# Altium PCB VM3300_V0.5_潘工改.PcbDoc (part 2 of 2) (continued)
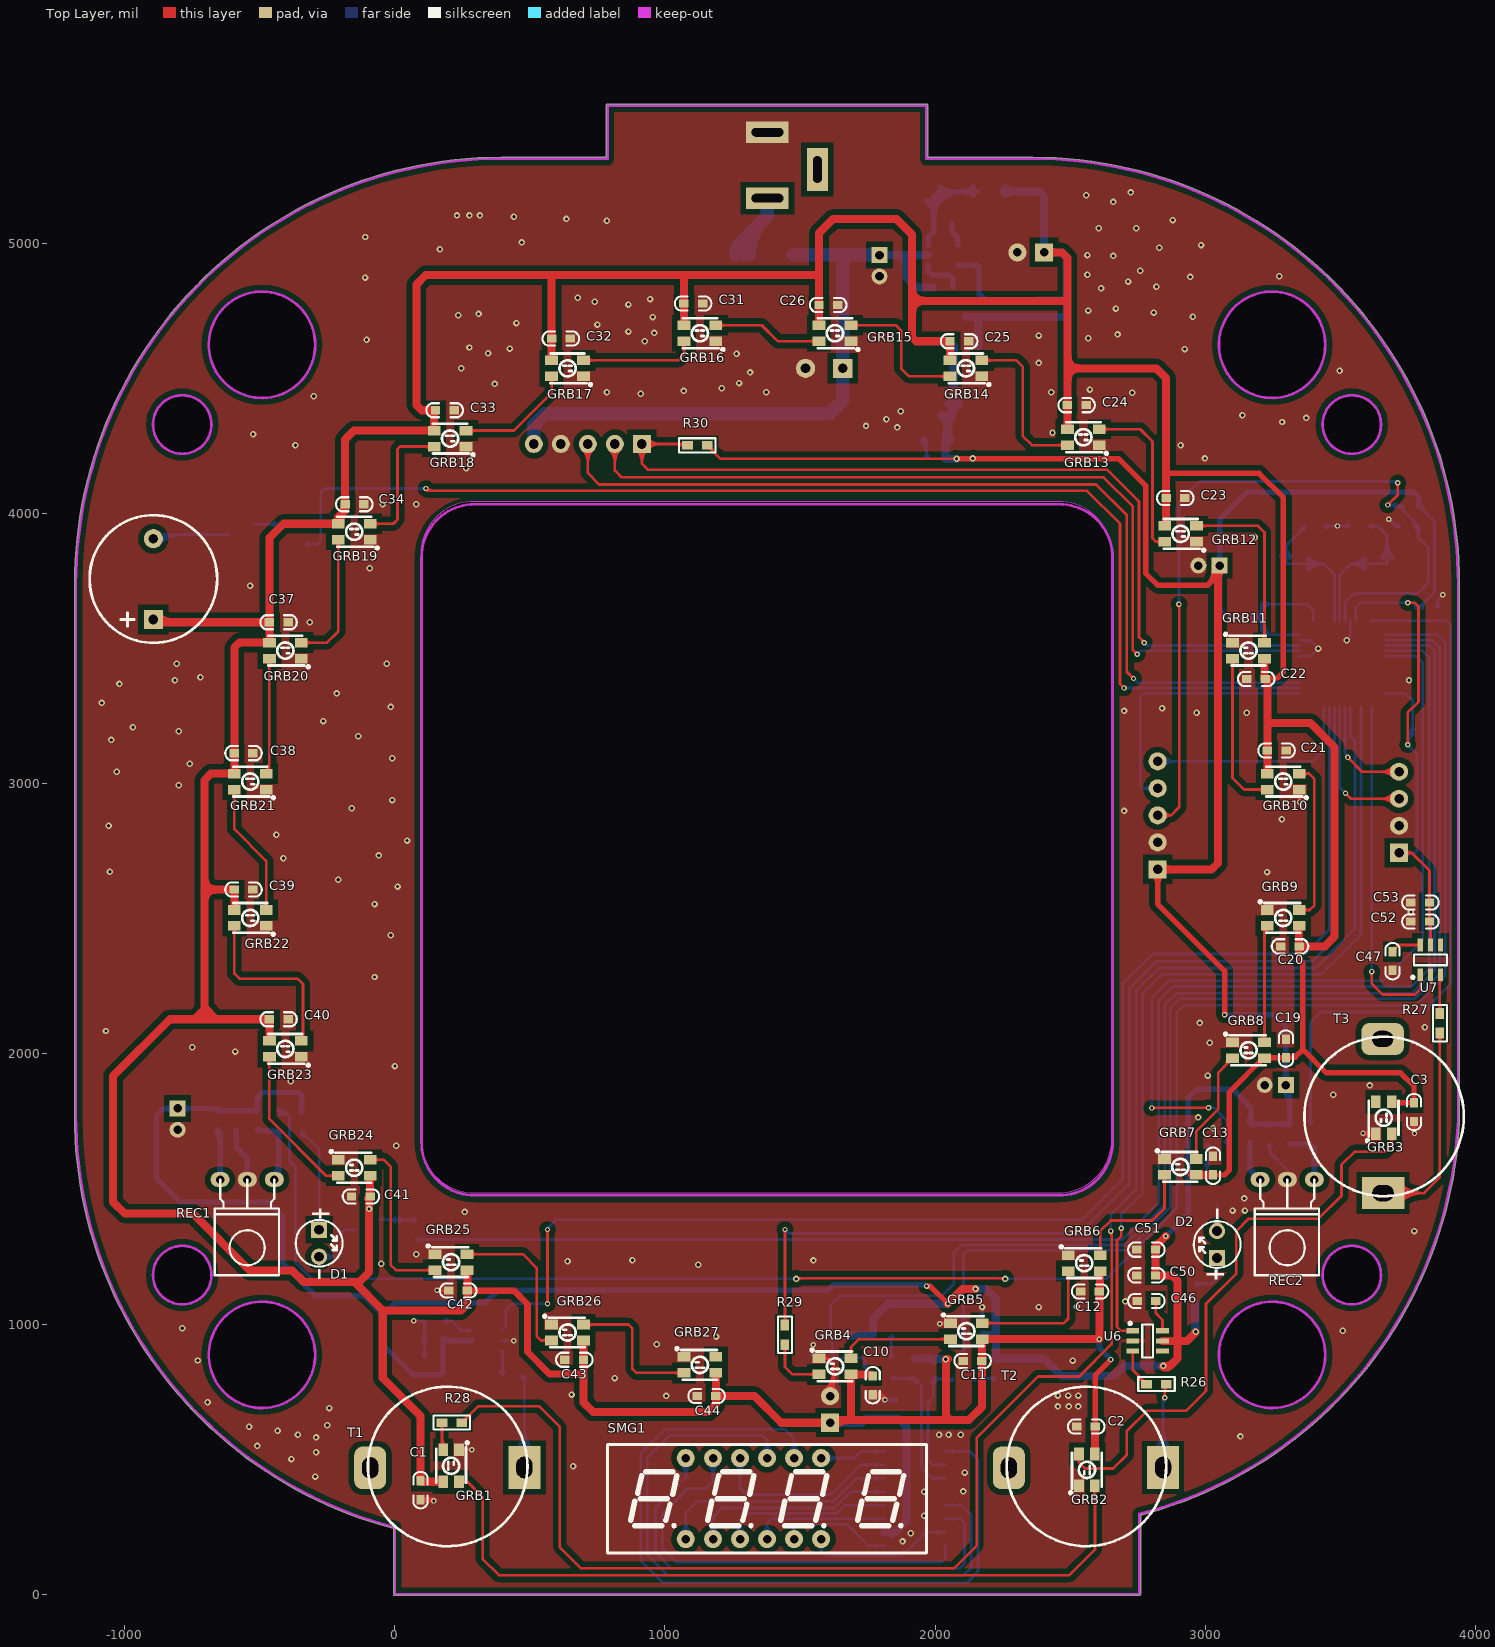
[diagram p0: Top Layer view]
## Nets (pads, with @x,y where several pads share a name; then routed paths per layer and width w, separated by ;. In a path a pad name is that pad's centre, name@x,y a point inside that pad or via, vN(x,y) a via of type N, cw(c..) or ccw(c..) an arc to the next point about the centre after c; other vN are vias at no path point) (continued)
O8: GRB9.2 GRB10.4 | length 691.4
  Top Layer w10: GRB9.2@3348.49,2533.18 3387.25,2533.18 3404.44,2550.36 3404.44,3018.65 3384.91,3038.18 ; GRB10.4@3348.49,3038.18 3384.91,3038.18 ; GRB9.2@3363.39,2524.19 cw(c3385.1,2502.48) 3385.1,2533.18 cw(c3385.1,2563.88) GRB9.2@3363.39,2542.17 ; GRB10.4@3363.43,3029.23 cw(c3384.91,3007.94) 3384.91,3038.18 ; GRB10.4@3363.43,3047.13 ccw(c3384.91,3068.42) 3384.91,3038.18
O9: GRB10.2 GRB11.4 | length 685.4
  Top Layer w10: GRB11.4@3092.73,3455.13 cw(c3071.02,3433.42) 3101.72,3433.42 cw(c3132.43,3433.42) GRB11.4@3110.72,3455.13 ; GRB11.4@3101.72,3464.12 3101.72,3021.36 3143.97,2979.12 GRB10.2@3230.38,2979.12 ; GRB10.2@3215.48,2970.13 ccw(c3193.78,2948.42) 3193.78,2979.12 ccw(c3193.78,3009.82) GRB10.2@3215.48,2988.11
O10: GRB11.2 GRB12.4 | length 766.1
  Top Layer w10: GRB12.4@2968.49,3955.36 3196.15,3955.36 3219.83,3931.67 GRB11.2@3219.83,3523.18 ; GRB12.4@2983.39,3946.37 cw(c3005.1,3924.66) 3005.1,3955.36 cw(c3005.1,3986.06) GRB12.4@2983.39,3964.36 ; GRB11.2@3210.84,3532.17 ccw(c3189.13,3553.88) 3219.83,3553.88 ccw(c3250.54,3553.88) GRB11.2@3228.83,3532.17
O11: GRB12.2 GRB13.4 | length 708.8
  Top Layer w10: GRB13.4@2608.49,4313.18 2759.91,4313.18 2805,4268.08 2805,3910 2818.7,3896.3 ; GRB13.4@2623.39,4304.19 cw(c2645.1,4282.48) 2645.1,4313.18 cw(c2645.1,4343.88) GRB13.4@2623.39,4322.17 ; GRB12.2@2834.39,3888.57 ccw(c2818.7,3876.53) 2818.7,3896.3 ; GRB12.2@2834.39,3904.04 cw(c2818.7,3916.08) 2818.7,3896.3 ; GRB12.2@2850.38,3896.3 2818.7,3896.3
O12: GRB13.2 GRB14.4 | length 693.6
  Top Layer w10: GRB14.4@2173.49,4568.26 2301.21,4568.26 2324.44,4545.04 2324.44,4288.65 2358.97,4254.12 GRB13.2@2490.38,4254.12 ; GRB14.4@2188.39,4559.27 cw(c2210.1,4537.56) 2210.1,4568.26 cw(c2210.1,4598.96) GRB14.4@2188.39,4577.25 ; GRB13.2@2475.48,4245.13 ccw(c2453.78,4223.42) 2453.78,4254.12 ccw(c2453.78,4284.82) GRB13.2@2475.48,4263.11
O13: GRB14.2 GRB15.4 | length 623.6
  Top Layer w10: GRB15.4@1688.49,4698.18 1854.91,4698.18 1874.44,4678.65 1874.44,4538.65 1903.88,4509.2 GRB14.2@2055.38,4509.2 ; GRB15.4@1703.39,4689.19 cw(c1725.1,4667.48) 1725.1,4698.18 cw(c1725.1,4728.88) GRB15.4@1703.39,4707.17 ; GRB14.2@2040.48,4500.21 ccw(c2018.78,4478.5) 2018.78,4509.2 ccw(c2018.78,4539.9) GRB14.2@2040.48,4518.19
O14: GRB15.2 GRB16.4 | length 502.8
  Top Layer w10: GRB16.4@1188.49,4698.18 1358.42,4698.18 1417.48,4639.12 GRB15.2@1570.38,4639.12 ; GRB16.4@1203.39,4689.19 cw(c1225.1,4667.48) 1225.1,4698.18 cw(c1225.1,4728.88) GRB16.4@1203.39,4707.17 ; GRB15.2@1555.48,4630.13 ccw(c1533.78,4608.42) 1533.78,4639.12 ccw(c1533.78,4669.82) GRB15.2@1555.48,4648.11
O15: GRB16.2 GRB17.4 | length 527
  Top Layer w10: GRB17.4@698.49,4568.18 1049.35,4568.18 1070.38,4589.21 GRB16.2@1070.38,4639.12 ; GRB17.4@713.39,4559.19 cw(c735.1,4537.48) 735.1,4568.18 cw(c735.1,4598.88) GRB17.4@713.39,4577.17 ; GRB16.2@1061.39,4630.13 cw(c1039.68,4608.42) 1070.38,4608.42 cw(c1101.08,4608.42) GRB16.2@1079.37,4630.13
O16: GRB17.2 GRB18.4 | length 532.5
  Top Layer w10: GRB18.4@263.49,4308.18 440.82,4308.18 580.38,4447.74 GRB17.2@580.38,4509.12 ; GRB18.4@278.39,4299.19 cw(c300.1,4277.48) 300.1,4308.18 cw(c300.1,4338.88) GRB18.4@278.39,4317.17 ; GRB17.2@571.39,4500.13 cw(c549.68,4478.42) 580.38,4478.42 cw(c611.08,4478.42) GRB17.2@589.37,4500.13
O17: GRB18.2 GRB19.4 | length 604.5
  Top Layer w10: GRB19.4@-91.51,3963.18 -6.03,3963.18 9.44,3978.65 9.44,4239.29 19.26,4249.12 GRB18.2@145.38,4249.12 ; GRB19.4@-76.61,3954.19 cw(c-54.9,3932.48) -54.9,3963.18 cw(c-54.9,3993.88) GRB19.4@-76.61,3972.17 ; GRB18.2@130.48,4240.13 ccw(c108.78,4218.42) 108.78,4249.12 ccw(c108.78,4279.82) GRB18.2@130.48,4258.11
O18: GRB19.2 GRB20.4 | length 590
  Top Layer w10: GRB20.4@-346.51,3523.18 -251.03,3523.18 -209.62,3564.59 GRB19.2@-209.62,3904.12 ; GRB20.4@-331.61,3514.19 cw(c-309.9,3492.48) -309.9,3523.18 cw(c-309.9,3553.88) GRB20.4@-331.61,3532.17 ; GRB19.2@-218.61,3895.13 cw(c-240.32,3873.42) -209.62,3873.42 cw(c-178.92,3873.42) GRB19.2@-200.63,3895.13
O19: GRB20.2 GRB21.4 | length 540.4
  Top Layer w10: GRB21.4@-479.59,3047.17 ccw(c-515.75,3083.33) -464.62,3083.33 ; GRB21.4@-476.51,3038.18 -464.62,3050.07 GRB20.2@-464.62,3464.12 ; GRB20.2@-473.61,3455.13 cw(c-495.32,3433.42) -464.62,3433.42 cw(c-433.92,3433.42) GRB20.2@-455.63,3455.13 ; GRB21.4@-472.52,3040.1 ccw(c-491.61,3059.18) -464.62,3059.18
O20: GRB21.2 GRB22.4 | length 591.3
  Top Layer w10: GRB21.2@-603.61,2970.13 cw(c-625.32,2948.42) -594.62,2948.42 cw(c-563.92,2948.42) GRB21.2@-585.63,2970.13 ; GRB21.2@-594.62,2979.12 -594.62,2832.7 -476.51,2714.59 GRB22.4@-476.51,2533.18 ; GRB22.4@-485.5,2542.17 ccw(c-507.21,2563.88) -476.51,2563.88 ccw(c-445.81,2563.88) GRB22.4@-467.52,2542.17
O21: GRB22.2 GRB23.4 | length 756
  Top Layer w10: GRB22.2@-603.61,2465.13 cw(c-625.32,2443.42) -594.62,2443.42 cw(c-563.92,2443.42) GRB22.2@-585.63,2465.13 ; GRB22.2@-594.62,2474.12 -594.62,2297.7 -575.56,2278.65 -360.56,2278.65 -340.56,2258.65 -340.56,2054.12 GRB23.4@-346.51,2048.18 ; GRB23.4@-349.59,2057.17 ccw(c-371.4,2078.97) -340.56,2078.97 ; -340.56,2078.78 ccw(c-310,2078.78) GRB23.4@-331.61,2057.17
O22: GRB23.2 GRB24.4 | length 668.7
  Top Layer w10: GRB23.2@-473.61,1980.13 cw(c-495.32,1958.42) -464.62,1958.42 cw(c-433.92,1958.42) GRB23.2@-455.63,1980.13 ; GRB23.2@-464.62,1989.12 -464.62,1758.74 -255,1549.12 GRB24.4@-209.62,1549.12 ; GRB24.4@-224.52,1540.13 ccw(c-246.22,1518.42) -246.22,1549.12 ccw(c-246.22,1579.82) GRB24.4@-224.52,1558.11
O23: GRB24.2 GRB25.4 | length 719.6
  Top Layer w10: GRB24.2@-91.51,1608.18 -40.84,1608.18 -15.56,1582.9 -15.56,1218.65 3.52,1199.56 GRB25.4@148.97,1199.56 ; GRB24.2@-76.61,1599.19 cw(c-54.9,1577.48) -54.9,1608.18 cw(c-54.9,1638.88) GRB24.2@-76.61,1617.17 ; GRB25.4@134.07,1190.57 ccw(c112.36,1168.86) 112.36,1199.56 ccw(c112.36,1230.26) GRB25.4@134.07,1208.55
O24: GRB25.2 GRB26.4 | length 690.1
  Top Layer w10: GRB25.2@267.08,1258.62 474.46,1258.62 525,1208.08 525,955.46 541.34,939.12 GRB26.4@580.38,939.12 ; GRB25.2@281.98,1249.63 cw(c303.68,1227.92) 303.68,1258.62 cw(c303.68,1289.32) GRB25.2@281.98,1267.61 ; GRB26.4@565.48,930.13 ccw(c543.78,908.42) 543.78,939.12 ccw(c543.78,969.82) GRB26.4@565.48,948.11
O25: GRB26.2 GRB27.4 | length 630.4
  Top Layer w10: GRB26.2@698.49,998.18 864.91,998.18 879.44,983.65 879.44,833.65 893.97,819.12 GRB27.4@1070.38,819.12 ; GRB26.2@713.39,989.19 cw(c735.1,967.48) 735.1,998.18 cw(c735.1,1028.88) GRB26.2@713.39,1007.17 ; GRB27.4@1055.48,810.13 ccw(c1033.78,788.42) 1033.78,819.12 ccw(c1033.78,849.82) GRB27.4@1055.48,828.11
OSC_IN: C14.2 U1.5 Y1.2 | length 951.6
  Bottom Layer w10: Y1.2@3279.48,3842.77 ccw(c3250.45,3882.59) 3299.73,3882.59 ; Y1.2@3285.37,3834.69 ccw(c3264.79,3862.93) 3299.73,3862.93 ccw(c3334.67,3862.93) Y1.2@3314.09,3834.69 ; Y1.2@3319.98,3842.77 cw(c3349.01,3882.59) 3299.73,3882.59 ; 3349.66,3932.53 ccw(c3328.32,3953.87) C14.2@3358.5,3953.87 ; 3355.7,3938.56 cw(c3368.5,3925.76) C14.2@3368.5,3943.87 ; C14.2@3371,3953.87 3299.73,3882.6 ; Y1.2@3376.19,3797.94 cw(c3416.81,3758.1) 3416.81,3815 cw(c3416.81,3871.9) Y1.2@3376.19,3832.06 ; Y1.2@3383.33,3790.94 cw(c3440.63,3734.75) 3440.63,3815 ; Y1.2@3383.33,3839.06 ccw(c3440.63,3895.25) 3440.63,3815 ; U1.5@3478.9,3604 3478.9,3774.53 3480,3775.63 3440.63,3815 ; 3299.73,3882.6 Y1.2@3299.73,3815 3440.63,3815
OSC_OUT: C18.2 U1.6 Y1.1 | length 1003.5
  Bottom Layer w10: U1.6@3498.59,3604 3498.59,3773.96 3539.63,3815 ; Y1.1@3588.67,3792.54 ccw(c3539.63,3750.22) 3539.63,3815 ; Y1.1@3588.67,3837.46 cw(c3539.63,3879.78) 3539.63,3815 ; Y1.1@3596.24,3799.08 ccw(c3561.47,3769.07) 3561.47,3815 ccw(c3561.47,3860.93) Y1.1@3596.24,3830.92 ; C18.2@3604,3955 3604.84,3955.84 3639,3955.84 3673.75,3921.09 Y1.1@3673.75,3815 3539.63,3815 ; C18.2@3613.57,3947.93 cw(c3632.66,3928.84) 3632.66,3955.84 ; C18.2@3613.57,3962.07 ccw(c3628.62,3977.12) 3628.62,3955.84 ; Y1.1@3649.44,3839.3 ccw(c3590.77,3897.98) 3673.75,3897.98 ccw(c3756.72,3897.98) Y1.1@3698.05,3839.3 ; Y1.1@3656.51,3832.23 ccw(c3614.91,3873.83) 3673.75,3873.83 ccw(c3732.58,3873.83) Y1.1@3690.98,3832.23
OUT1: U1.33 U5.1 | length 5200.8
  Top Layer w10: v2@561.46,1078.7 ccw(c552.93,1087.23) 565,1087.23 ccw(c577.07,1087.23) v2@568.54,1078.7 ; v2@561.46,1346.46 cw(c552.93,1337.93) 565,1337.93 cw(c577.07,1337.93) v2@568.54,1346.46 ; v2(565,1075.16) v2(565,1350)
  Bottom Layer w10: U5.1@395.12,976.05 410,990.93 410,1050 435.16,1075.16 v2(565,1075.16) ; v2@561.46,1071.62 ccw(c552.93,1063.09) 552.93,1075.16 ccw(c552.93,1087.23) v2@561.46,1078.7 ; v2(565,1350) 565,1355 595.72,1385.72 2544.04,1385.72 2695,1536.68 2695,2260 2805,2370 3370,2370 3459.44,2459.44 3459.44,3283.08 U1.33@3459.22,3283.29 ; v2@570,1350 cw(c594.14,1350) 577.07,1367.07
OUT2: U1.27 U6.1 | length 3134.1
  Top Layer w10: v2@2686.46,1351.46 cw(c2677.93,1342.93) 2690,1342.93 cw(c2702.07,1342.93) v2@2693.54,1351.46 ; v2(2690,1355) 2690,1325.93 2674.11,1310.04 2674.11,988.97 2688.34,974.74 U6.1@2732.32,974.74 ; U6.1@2715.11,971.32 ccw(c2706.85,963.05) 2706.85,974.74 ccw(c2706.85,986.44) U6.1@2715.11,978.17
  Bottom Layer w10: v2@2686.46,1358.54 ccw(c2677.93,1367.07) 2690,1367.07 ccw(c2702.07,1367.07) v2@2693.54,1358.54 ; v2(2690,1355) 2690,1407.8 2769.44,1487.23 2769.44,2224.44 2840,2295 3429.46,2295 3577.33,2442.87 U1.27@3577.33,3283.29
OUT3: U1.25 U7.1 | length 1337.6
  Top Layer w10: v2@3613.52,2301.46 cw(c3604.98,2292.93) 3617.05,2292.93 cw(c3629.12,2292.93) v2@3620.59,2301.46 ; v2(3617.05,2305) 3617.05,2260.34 3657.03,2220.36 3777.4,2220.36 3797.03,2240 U7.1@3797.03,2293.53 ; U7.1@3793.61,2276.33 cw(c3785.34,2268.06) 3797.03,2268.06 cw(c3808.73,2268.06) U7.1@3800.46,2276.33
  Bottom Layer w10: v2@3613.52,2308.54 ccw(c3604.98,2317.07) 3617.05,2317.07 ccw(c3629.12,2317.07) v2@3620.59,2308.54 ; U1.25@3616.7,3283.29 3617.05,3282.94 v2(3617.05,2305)
PWM: JP1.2 U1.45 | length 3490.3
  Top Layer w10: JP1.2@794.31,4238.52 cw(c745.72,4189.93) 814.44,4189.93 cw(c883.16,4189.93) JP1.2@834.56,4238.52 ; JP1.2@801.38,4245.59 cw(c769.86,4214.07) 814.44,4214.07 cw(c859.01,4214.07) JP1.2@827.49,4245.59 ; JP1.2@814.44,4258.65 814.44,4160.56 840,4135 2623.65,4135 2732.32,4026.33 2732.32,3496.12 v2(2748.43,3480) ; v2@2743.43,3480 ccw(c2731.36,3480) 2739.9,3488.54 ccw(c2748.43,3497.07) v2@2748.43,3485
  Bottom Layer w10: v2(2748.43,3480) 2760.98,3492.55 2825,3492.55 ; v2@2748.43,3485 ccw(c2748.43,3497.07) 2756.97,3488.54 ccw(c2765.5,3480) v2@2753.43,3480 ; 2779.99,3492.86 U1.45@3348.08,3492.86
RGB: R28.2 U1.29 | length 6676.1
  Top Layer w10: R28.2@247.5,635 307.78,695.28 534.72,695.28 610,620 610,175 689.45,95.55 2069.99,95.55 2155,180.56 2155,579.42 2381.12,805.54 2533.99,805.54 2654.11,925.67 2654.11,1341.22 v2(2651.11,1344.22) ; R28.2@251.75,645.75 ccw(c251.75,661.43) R28.2@262.84,650.34 ; R28.2@262.5,635 cw(c298.71,635) 273.11,660.61 ; v2@2647.57,1340.69 cw(c2631.78,1324.9) 2654.11,1324.9
  Bottom Layer w10: v2@2647.57,1347.76 ccw(c2639.04,1356.29) 2651.11,1356.29 ccw(c2663.18,1356.29) v2@2654.64,1347.76 ; v2(2651.11,1344.22) 2651.11,1406.11 2745,1500 2745,2235 2828.65,2318.65 3409.69,2318.65 3555,2463.96 3555,3159.82 3537.96,3176.86 U1.29@3537.96,3283.29
RGB1: R29.2 U1.32 | length 4207
  Top Layer w10: R29.2@1436.84,1008.35 ccw(c1418.49,1026.7) 1444.44,1026.7 ccw(c1470.38,1026.7) R29.2@1452.04,1008.35 ; v2@1440.9,1346.46 cw(c1432.37,1337.93) 1444.44,1337.93 cw(c1456.51,1337.93) v2@1447.97,1346.46 ; R29.2@1444.44,996.5 v2(1444.44,1350)
  Bottom Layer w10: v2@1444.44,1345 cw(c1444.44,1331.57) 1453.93,1341.07 ; v2(1444.44,1350) 1445,1350 1460,1335 2535,1335 2720,1520 2720,2242.57 2821.08,2343.65 3398.65,2343.65 3479.44,2424.44 3479.44,3282.76 U1.32@3478.9,3283.29 ; v2@1449.44,1350 ccw(c1460.15,1350) 1452.57,1342.43
RX: U1.31 UART.3 | length 749.5
  Top Layer w10: v2@3520,2960 cw(c3520,2947.93) 3528.54,2956.46 cw(c3537.07,2965) v2@3525,2965 ; v2(3520,2965) 3540,2945 UART.3@3718.19,2945 ; UART.3@3698.06,2924.87 ccw(c3649.47,2876.28) 3649.47,2945 ccw(c3649.47,3013.72) UART.3@3698.06,2965.13 ; UART.3@3705.13,2931.94 ccw(c3673.61,2900.42) 3673.61,2945 ccw(c3673.61,2989.58) UART.3@3705.13,2958.06
  Bottom Layer w10: U1.31@3498.59,3283.29 3498.59,2986.41 v2(3520,2965) ; v2@3515,2965 ccw(c3502.93,2965) 3511.46,2973.54 ccw(c3520,2982.07) v2@3520,2970
S_SCL: Q1.2 R8.1 U4.2 | length 578.7
  Bottom Layer w10: R8.1@1985.34,785.3 cw(c1966.99,766.95) 1992.94,766.95 cw(c2018.88,766.95) R8.1@2000.54,785.3 ; R8.1@2000.54,789.55 cw(c2018.88,771.2) 2018.88,797.15 cw(c2018.88,823.1) R8.1@2000.54,804.75 ; U4.2@2009.94,474.39 ccw(c1999.66,464.11) 1999.66,478.65 ccw(c1999.66,493.19) U4.2@2009.94,482.91 ; U4.2@2037.53,478.65 1991.35,478.65 1974.31,495.69 1974.31,708.52 1992.94,727.15 R8.1@1992.94,797.15 2064.48,797.15 Q1.2@2067.04,794.59 ; 2044.42,797.15 cw(c2044.42,771.98) Q1.2@2062.22,789.78
S_SDA: Q2.2 R10.1 U4.3 | length 655.4
  Bottom Layer w10: Q2.2@1838.49,801.25 1841.09,798.65 R10.1@1924.44,798.65 1950,773.08 ; Q2.2@1851.18,806.06 ccw(c1869.08,823.96) 1869.08,798.65 ; R10.1@1916.84,791.05 ccw(c1898.49,772.7) 1898.49,798.65 ccw(c1898.49,824.6) R10.1@1916.84,806.25 ; R10.1@1924.45,783.65 cw(c1924.5,747.59) 1950,773.09 ; R10.1@1935.18,794.4 ccw(c1950.87,794.4) R10.1@1939.78,783.31 ; U4.3@2009.94,424.39 ccw(c1999.66,414.11) 1999.66,428.65 ccw(c1999.66,443.19) U4.3@2009.94,432.91 ; U4.3@2037.53,428.65 1990.79,428.65 1950,469.44 1950,773.08
SCL: C27.2 Q1.3 R7.1 U1.14 | length 4594
  Bottom Layer w10: R7.1@2097.74,953.56 cw(c2079.39,935.21) 2105.34,935.21 cw(c2131.29,935.21) R7.1@2112.94,953.56 ; R7.1@2097.74,968.76 ccw(c2079.15,987.34) 2105.44,987.34 ; C27.2@2098.37,1017.95 cw(c2081.29,1000.88) 2105.44,1000.88 cw(c2129.58,1000.88) C27.2@2112.51,1017.95 ; C27.2@2098.37,1032.09 ccw(c2081.29,1049.16) 2105.44,1049.16 ccw(c2129.58,1049.16) C27.2@2112.51,1032.09 ; Q1.3@2099.62,905.39 ccw(c2085.82,919.2) 2105.34,919.2 ; Q1.3@2104.44,892.7 2105.34,893.6 R7.1@2105.34,961.16 2105.44,961.26 C27.2@2105.44,1025.02 2105.44,1260.22 2117.94,1272.72 2710.08,1272.72 2871.41,1434.05 2871.41,2170.18 2905.15,2203.92 3774.71,2203.92 3869.44,2298.65 3869.44,3488.65 3869.44,3503.65 3840.85,3532.23 U1.14@3668.78,3532.23 ; 2105.34,914.84 ccw(c2118.7,914.84) Q1.3@2109.25,905.39 ; 2105.44,986.87 ccw(c2131.05,986.87) R7.1@2112.94,968.76
SDA: C28.2 Q2.3 R9.1 U1.15 | length 5157.4
  Bottom Layer w10: R9.1@1605.34,966.25 ccw(c1586.99,984.6) 1612.94,984.6 ccw(c1638.88,984.6) R9.1@1620.54,966.25 ; R9.1@1609.59,951.05 cw(c1586.87,928.33) 1619,928.33 ; C28.2@1611.93,882.22 ccw(c1594.86,899.29) 1619,899.29 ccw(c1643.14,899.29) C28.2@1626.07,882.22 ; 1619,937.07 cw(c1638.76,937.07) R9.1@1624.79,951.05 ; C28.2@1628.57,868.08 cw(c1645.64,851.01) 1645.64,875.15 cw(c1645.64,899.29) C28.2@1628.57,882.22 ; Q2.3@1735.57,843.46 ccw(c1723.94,855.09) 1740.38,855.09 ccw(c1756.82,855.09) Q2.3@1745.2,843.46 ; Q2.3@1740.38,838.65 1740.38,864.62 1729.85,875.15 C28.2@1619,875.15 1619,952.58 R9.1@1612.94,958.65 1612.94,1070 1647.94,1105 2026.28,1105 2069.44,1148.16 2069.44,1264.44 2097.72,1292.72 2701.8,1292.72 2850.49,1441.41 2850.49,2180.49 2895,2225 3767.5,2225 3849.44,2306.93 3849.44,3478.65 3849.44,3493.65 3830.54,3512.55 U1.15@3668.78,3512.55
SEG1: SMG1.11 U4.8 | length 1771.8
  Bottom Layer w10: SMG1.11@1157.83,483.52 cw(c1109.23,434.93) 1177.95,434.93 cw(c1246.67,434.93) SMG1.11@1198.08,483.52 ; SMG1.11@1164.9,490.59 cw(c1133.38,459.07) 1177.95,459.07 cw(c1222.53,459.07) SMG1.11@1191.01,490.59 ; SMG1.11@1177.95,503.65 1177.95,417.95 1150,390 1084.44,390 990,295.56 990,170 1041.35,118.65 2024.44,118.65 2037.53,131.74 U4.8@2037.53,178.65 ; U4.8@2033.27,174.39 cw(c2022.98,164.11) 2037.53,164.11 cw(c2052.07,164.11) U4.8@2041.79,174.39
SEG2: SMG1.7 U4.16 | length 444.6
  Bottom Layer w10: SMG1.7@1577.95,503.65 1699.44,503.65 1724.44,528.65 U4.16@1811.35,528.65 ; SMG1.7@1591.01,490.59 cw(c1622.53,459.07) 1622.53,503.65 cw(c1622.53,548.22) SMG1.7@1591.01,516.7 ; SMG1.7@1598.08,483.52 cw(c1646.67,434.93) 1646.67,503.65 cw(c1646.67,572.37) SMG1.7@1598.08,523.78 ; U4.16@1783.76,524.39 ccw(c1773.48,514.11) 1773.48,528.65 ccw(c1773.48,543.19) U4.16@1783.76,532.91
SEG3: SMG1.4 U4.11 | length 662.4
  Bottom Layer w10: SMG1.4@1360.15,225.86 ccw(c1330.41,262.95) 1377.95,262.95 ; SMG1.4@1366.4,218.05 ccw(c1347.11,242.12) 1377.95,242.12 ccw(c1408.79,242.12) SMG1.4@1389.5,218.05 ; SMG1.4@1377.95,203.65 1377.95,262.95 ; SMG1.4@1395.76,225.86 cw(c1425.5,262.95) 1377.95,262.95 ; U4.11@1783.76,274.39 ccw(c1773.48,264.11) 1773.48,278.65 ccw(c1773.48,293.19) U4.11@1783.76,282.91 ; U4.11@1811.35,278.65 1393.65,278.65 1377.95,262.95
SEG4: SMG1.2 U4.13 | length 954.3
  Bottom Layer w10: SMG1.2@1157.83,223.78 ccw(c1109.23,272.37) 1177.95,272.37 ccw(c1246.67,272.37) SMG1.2@1198.08,223.78 ; SMG1.2@1164.9,216.7 ccw(c1133.38,248.22) 1177.95,248.22 ccw(c1222.53,248.22) SMG1.2@1191.01,216.7 ; SMG1.2@1177.95,203.65 1177.95,285 1211.6,318.65 1627.72,318.65 1687.72,378.65 U4.13@1811.35,378.65 ; U4.13@1783.76,374.39 ccw(c1773.48,364.11) 1773.48,378.65 ccw(c1773.48,393.19) U4.13@1783.76,382.91
SEG5: SMG1.1 U4.14 | length 1085.9
  Bottom Layer w10: SMG1.1@1057.04,223.78 ccw(c1008.45,272.37) 1077.17,272.37 ccw(c1145.88,272.37) SMG1.1@1097.29,223.78 ; SMG1.1@1064.11,216.7 ccw(c1032.59,248.22) 1077.17,248.22 ccw(c1121.74,248.22) SMG1.1@1090.22,216.7 ; SMG1.1@1077.17,203.65 1077.17,302.17 1118.65,343.65 1624.44,343.65 1709.44,428.65 U4.14@1811.35,428.65 ; U4.14@1783.76,424.39 ccw(c1773.48,414.11) 1773.48,428.65 ccw(c1773.48,443.19) U4.14@1783.76,432.91
SEG6: SMG1.10 U4.15 | length 901.1
  Bottom Layer w10: SMG1.10@1257.83,483.52 cw(c1209.23,434.93) 1277.95,434.93 cw(c1346.67,434.93) SMG1.10@1298.08,483.52 ; SMG1.10@1264.9,490.59 cw(c1233.38,459.07) 1277.95,459.07 cw(c1322.53,459.07) SMG1.10@1291.01,490.59 ; SMG1.10@1277.95,503.65 1277.95,392.05 1301.35,368.65 1614.44,368.65 1724.44,478.65 U4.15@1811.35,478.65 ; U4.15@1783.76,474.39 ccw(c1773.48,464.11) 1773.48,478.65 ccw(c1773.48,493.19) U4.15@1783.76,482.91
SEG7: SMG1.5 U4.9 | length 462.9
  Bottom Layer w10: SMG1.5@1469.98,230.97 ccw(c1466.88,241.6) 1477.95,241.6 ; SMG1.5@1477.95,203.65 1477.95,241.6 ; SMG1.5@1485.92,230.97 cw(c1489.02,241.6) 1477.95,241.6 ; U4.9@1783.76,174.39 ccw(c1773.48,164.11) 1773.48,178.65 ccw(c1773.48,193.19) U4.9@1783.76,182.91 ; U4.9@1811.35,178.65 1754.44,178.65 1674.44,258.65 1495,258.65 1477.95,241.6
SEG8: SMG1.3 U4.12 | length 827.9
  Bottom Layer w10: SMG1.3@1257.83,223.78 ccw(c1209.23,272.37) 1277.95,272.37 ccw(c1346.67,272.37) SMG1.3@1298.08,223.78 ; SMG1.3@1264.9,216.7 ccw(c1233.38,248.22) 1277.95,248.22 ccw(c1322.53,248.22) SMG1.3@1291.01,216.7 ; SMG1.3@1277.95,203.65 1277.95,275.24 1301.36,298.65 1636.01,298.65 1666.01,328.65 U4.12@1811.35,328.65 ; U4.12@1783.76,324.39 ccw(c1773.48,314.11) 1773.48,328.65 ccw(c1773.48,343.19) U4.12@1783.76,332.91
SWCLK: SWD1.4 U1.37 | length 1115.2
  Bottom Layer w10: SWD1.4@2801.2,2967.21 ccw(c2769.44,2944.75) 2769.44,2983.65 ; SWD1.4@2801.2,3000.08 cw(c2769.44,3022.55) 2769.44,2983.65 ; SWD1.4@2809.36,2972.99 ccw(c2788.76,2958.41) 2788.76,2983.65 ccw(c2788.76,3008.88) SWD1.4@2809.36,2994.31 ; SWD1.4@2824.44,2983.65 2769.44,2983.65 ; U1.37@3348.08,3335.38 2771.17,3335.38 2759.44,3323.65 2759.44,2993.65 2769.44,2983.65
SWDIO: SWD1.5 U1.34 | length 969.5
  Bottom Layer w10: SWD1.5@2824.44,3083.65 3399.85,3083.65 3439.53,3123.33 U1.34@3439.53,3283.29 ; SWD1.5@2837.49,3070.59 cw(c2869.01,3039.07) 2869.01,3083.65 cw(c2869.01,3128.22) SWD1.5@2837.49,3096.7 ; SWD1.5@2844.56,3063.52 cw(c2893.16,3014.93) 2893.16,3083.65 cw(c2893.16,3152.37) SWD1.5@2844.56,3103.78
TX: U1.30 UART.4 | length 623
  Top Layer w10: v2@3528.79,3093 cw(c3528.79,3080.93) 3537.33,3089.47 cw(c3545.86,3098) v2@3533.79,3098 ; v2(3528.79,3098) 3581.8,3045 UART.4@3718.19,3045 ; UART.4@3698.06,3024.87 ccw(c3649.47,2976.28) 3649.47,3045 ccw(c3649.47,3113.72) UART.4@3698.06,3065.13 ; UART.4@3705.13,3031.94 ccw(c3673.61,3000.42) 3673.61,3045 ccw(c3673.61,3089.58) UART.4@3705.13,3058.06
  Bottom Layer w10: U1.30@3517.44,3282.46 U1.30@3518.27,3283.29 3518.27,3113.19 ; v2@3523.81,3098.36 ccw(c3504.8,3099.71) 3518.27,3113.19 ; v2(3528.79,3098) 3529.15,3097.65 3533.81,3097.65 3518.27,3113.19
pads on no net: CON1.3 GRB3.2 GRB27.2 T1.2 T2.2 T3.2 U1.2 U1.3 U1.4 U1.10 U1.11 U1.18 U1.19 U1.20 U1.21 U1.22 U1.26 U1.28 U1.35 U1.36 U1.40 U1.41 U1.42 U1.43 U5.4 U6.4 U7.4

## Polygon pours and split planes (outlines as drawn)
GND on Bottom Layer "Top Layer-No Net1" (solid, remove dead copper, pour order 1): 5,240 cw(c403.72,1768.68) -1176.1,1768.68 -1176.1,3737.18 cw(c403.72,3737.18) 403.72,5317 cw(c403.72,5311.98) 403.75,5317 792.4,5317 792.4,5508.83 cw(c797.42,5508.83) 797.42,5513.85 1978.52,5513.85 cw(c1978.52,5508.83) 1983.53,5508.83 1983.53,5317 2372.22,5317 cw(c2372.22,3737.18) 3952.04,3737.18 3952.04,1750.67 cw(c3947.02,1750.67) 3952.03,1750.45 cw(c2373.69,1818.61) 2770.94,289.56 2770.94,-2.98 cw(c2765.92,-2.98) 2765.92,-7.99 10.02,-7.99 cw(c10.02,-2.98) 5,-2.98
GND on Top Layer "Top Layer-No Net" (solid, remove dead copper, pour order 0): -17.32,249 cw(c381.39,1777.67) -1198.42,1777.67 -1198.42,3746.18 cw(c381.39,3746.18) 381.39,5325.99 cw(c381.39,5320.98) 381.43,5325.99 770.08,5325.99 770.08,5517.83 cw(c775.09,5517.83) 775.09,5522.85 1956.2,5522.85 cw(c1956.2,5517.83) 1961.21,5517.83 1961.21,5325.99 2349.9,5325.99 cw(c2349.9,3746.18) 3929.72,3746.18 3929.71,1759.67 cw(c3924.7,1759.67) 3929.71,1759.45 cw(c2351.36,1827.61) 2748.61,298.55 2748.61,6.02 cw(c2743.6,6.02) 2743.6,1 -12.31,1 cw(c-12.31,6.02) -17.32,6.02

## Keep-outs
Keep-Out Layer:
  circle w10: c3248.03,885.83 r196.85
  circle w10: c3543.31,4330.71 r108.27
  circle w10: c3248.03,4625.98 r196.85
  circle w10: c3543.31,1181.1 r108.27
  circle w10: c-787.4,1181.1 r108.27
  circle w10: c-787.4,4330.71 r108.27
  circle w10: c-492.13,4625.98 r196.85
  circle w10: c-492.13,885.83 r196.85
  lines w10: 2755.91,296.79 2755.91,0 0,0 0,246.86 cw(c393.7,1771.65) -1181.1,1771.65 -1181.1,3740.16 cw(c393.7,3740.16) 393.7,5314.96 787.4,5314.96 787.4,5511.81 1968.5,5511.81 1968.5,5314.96 2362.2,5314.96 cw(c2362.2,3740.16) 3937.01,3740.16 3937.01,1753.65 cw(c2363.67,1821.59) 2757.37,296.79 ; 98.43,1673.23 ccw(c295.28,1673.23) 295.28,1476.38 2460.63,1476.38 ccw(c2460.63,1673.23) 2657.48,1673.23 2657.48,3838.58 ccw(c2460.63,3838.58) 2460.63,4035.43 295.28,4035.43 ccw(c295.28,3838.58) 98.43,3838.58 98.43,1673.23

## Other copper
Top Layer:
  region net 5V: -705.56,2195 -705.56,2184.44 -765,2125 -640.56,2125
Bottom Layer:
  pour cut-out: 3840.85,3748.65
  region net 3.3V: 3211.5,3649.5 3180,3618.01 3180,3615 3182.64,3615 3211.5,3586.14

## Silkscreen, mask and mechanical layers (free items; w line width, h text height)
Bottom Overlay:
  drawing of 2014 lines, arcs and shapes, not listed
  text "V" at 489.44,4068.02 h60
  text "G" at 584.44,4068.02 h60
  text "C" at 689.44,4068.02 h60
  text "P" at 794.44,4068.02 h60
  text "F" at 884.44,4068.02 h60
  text "D" at 3023.77,3093.65 h60 r90
  text "T" at 3533.81,3065.1 h60 r270
  text "C" at 3024.44,3003.65 h60 r90
  text "R" at 3533.81,2938.65 h60 r270
  text "RST" at 3024.44,2923.65 h60 r90
  text "G" at 3534.44,2826.65 h60 r270
  text "G" at 3024.44,2793.65 h60 r90
  text "V" at 3533.81,2758.65 h60 r270
  text "V" at 3023.77,2664.55 h60 r90
  text "240521" at -268.56,2523.65 h200
  text "VM3300_V0.5" at 4.44,2273.65 h200
Mechanical 1:
  circle w10: c-492.13,885.83 r196.85
  circle w10: c-492.13,4625.98 r196.85
  circle w10: c-787.4,4330.71 r108.27
  circle w10: c-787.4,1181.1 r108.27
  circle w10: c3543.31,1181.1 r108.27
  circle w10: c3248.03,4625.98 r196.85
  circle w10: c3543.31,4330.71 r108.27
  circle w10: c3248.03,885.83 r196.85
  lines w10: 2755.91,296.79 2755.91,0 0,0 0,246.86 cw(c393.7,1771.65) -1181.1,1771.65 -1181.1,3740.16 cw(c393.7,3740.16) 393.7,5314.96 787.4,5314.96 787.4,5511.81 1968.5,5511.81 1968.5,5314.96 2362.2,5314.96 cw(c2362.2,3740.16) 3937.01,3740.16 3937.01,1753.65 cw(c2363.67,1821.59) 2757.37,296.79 ; 98.43,1673.23 ccw(c295.28,1673.23) 295.28,1476.38 2460.63,1476.38 ccw(c2460.63,1673.23) 2657.48,1673.23 2657.48,3838.58 ccw(c2460.63,3838.58) 2460.63,4035.43 295.28,4035.43 ccw(c295.28,3838.58) 98.43,3838.58 98.43,1673.23